# Allegro board buddy_lay_rev1.brd (continued)
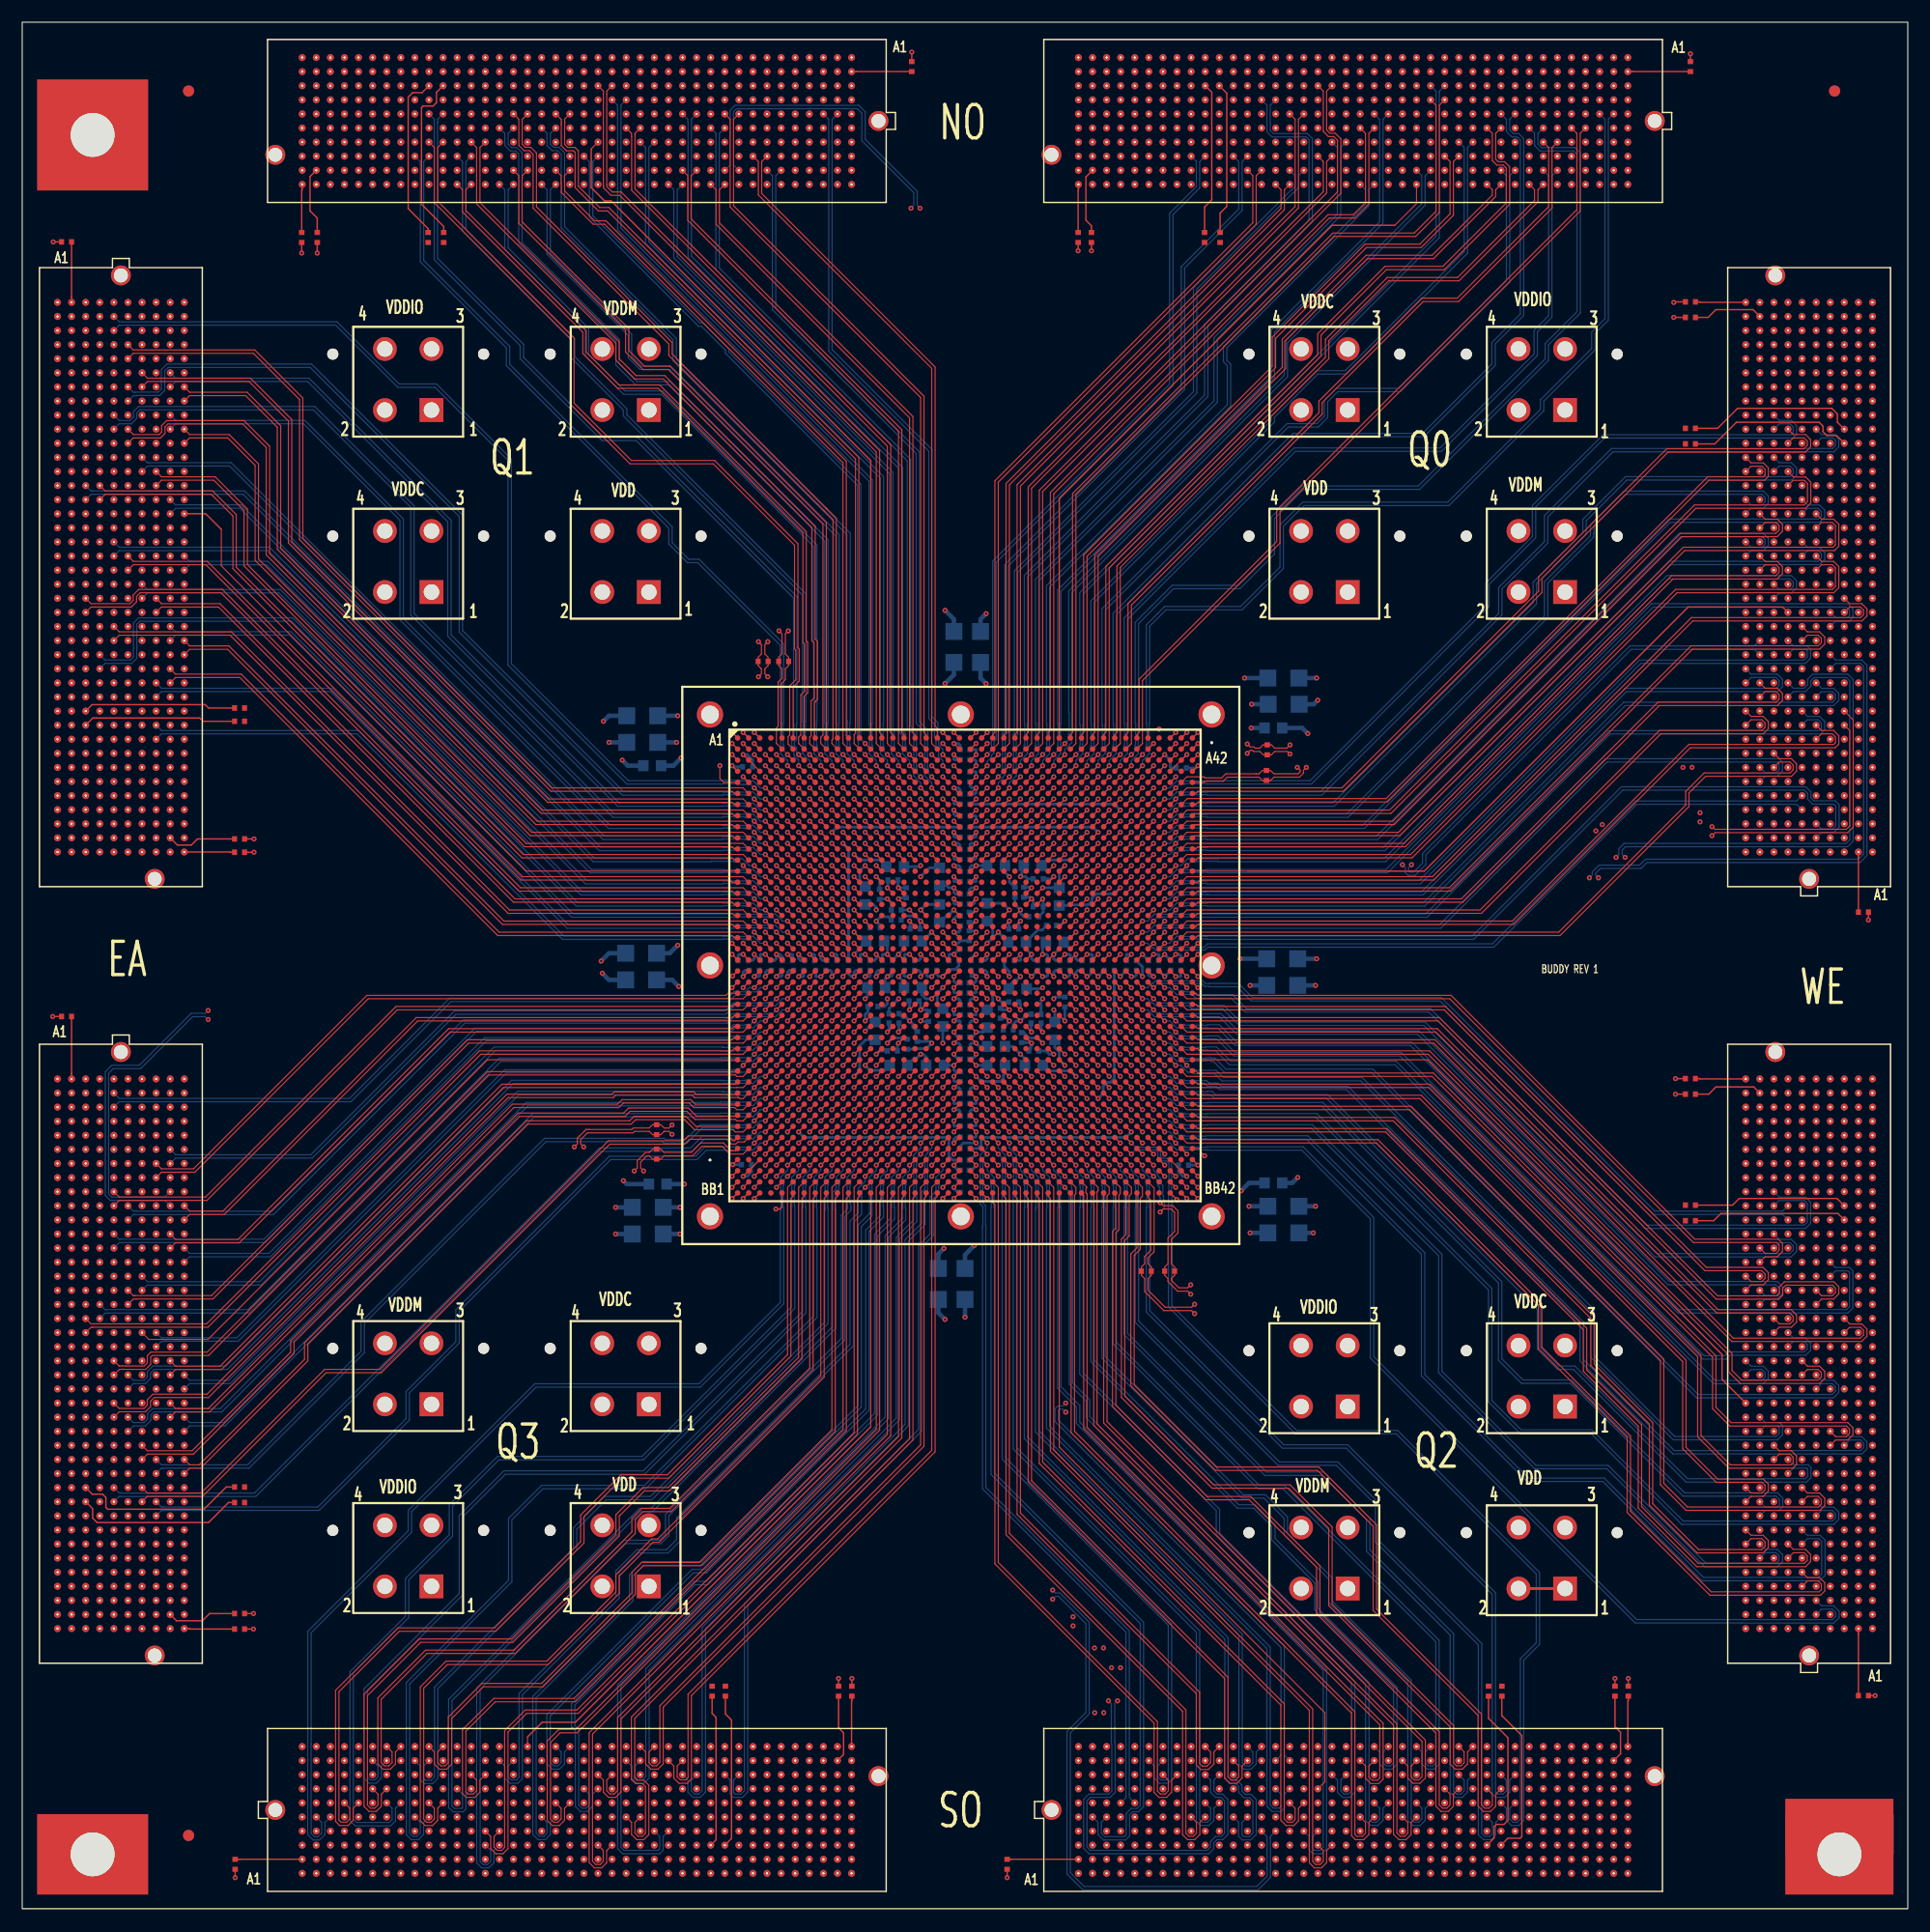
[diagram p0: board, top side]
## Routing (per net, layer and track width the routed paths; a pad name or vN(x,y) marks a point on that pad's centre or on a via; arc(x,y) is an arc through that point) (continued)
 J2.D25 114.28,162.53 ; J2.D25 113.8,163 ; 9.06,142.22 J8.F3 ; J8.F3 9.54,142.69 ; J8.F3 10.01,142.22 ; J8.F3 9.54,141.74 ; 68.42,154.91 J1.K6 ; J1.K6 68.9,155.38 ; J1.K6 67.95,155.38 ; J1.K6 68.42,155.86 ; J4.K12 155.38,39.69 ; J4.K12 154.91,39.21 ; J4.K12 155.86,39.21 ; J4.K12 155.38,38.74 ; 144.28,8.27 J5.E40 ; J5.E40 144.76,7.79 ; J5.E40 144.76,8.74 ; J5.E40 145.23,8.27 ; J3.F9 160.47,105.86 ; J3.F9 160.94,105.39 ; J3.F9 160.47,104.91 ; J3.F9 159.99,105.39 ; 139.2,12.07 J5.H36 ; J5.H36 139.68,11.6 ; J5.H36 140.15,12.07 ; J5.H36 139.68,12.55 ; J5.J23 123.17,13.82 ; J5.J23 123.17,12.87 ; J5.J23 123.64,13.35 ; J5.J23 122.69,13.35 ; J8.C38 6.2,97.77 ; J8.C38 5.25,97.77 ; J8.C38 5.72,98.24 ; J8.C38 5.72,97.29 ; J5.B11 108.4,4.46 ; J5.B11 107.45,4.46 ; J5.B11 107.93,4.93 ; J5.B11 107.93,3.98 ; 38.74,159.19 J1.G29 ; J1.G29 39.21,158.72 ; J1.G29 39.21,159.67 ; J1.G29 39.69,159.19 ; 27.31,14.62 J6.K3 ; J6.K3 28.26,14.62 ; J6.K3 27.78,15.09 ; J6.K3 27.78,14.14 ; J8.A40 3.66,95.23 ; J8.A40 2.71,95.23 ; J8.A40 3.19,94.75 ; J8.A40 3.19,95.7 ; J3.G26 159.67,126.98 ; J3.G26 158.72,126.98 ; J3.G26 159.19,127.45 ; J3.G26 159.19,126.5 ; J4.C40 164.75,74.77 ; J4.C40 164.28,75.25 ; J4.C40 164.28,74.3 ; J4.C40 163.8,74.77 ; 53.98,159.19 J1.G17 ; J1.G17 54.45,158.72 ; J1.G17 54.45,159.67 ; J1.G17 54.93,159.19 ; 10.33,124.44 J8.G17 ; J8.G17 10.8,124.91 ; J8.G17 11.28,124.44 ; J8.G17 10.8,123.96 ; J2.H33 104.59,157.93 ; J2.H33 103.64,157.93 ; J2.H33 104.12,157.45 ; J2.H33 104.12,158.4 ; 41.75,13.35 42.23,13.35 ; 41.75,13.35 41.75,13.82 ; 41.75,13.35 41.75,12.87 ; 41.75,13.35 41.28,13.35 ; J1.C29 39.21,164.75 ; J1.C29 39.69,164.28 ; J1.C29 39.21,163.8 ; J1.C29 38.74,164.28 ; J4.G11 159.19,38.42 ; J4.G11 159.19,37.47 ; J4.G11 159.67,37.94 ; J4.G11 158.72,37.94 ; 56.5,27.81 J20.1 ; J20.1 56.5,30.29 ; J20.1 57.74,29.05 ; J20.1 55.26,29.05 ; J2.G35 102.05,159.19 ; J2.G35 101.58,159.67 ; J2.G35 101.1,159.19 ; J2.G35 101.58,158.72 ; J4.G5 159.19,30.8 ; J4.G5 159.19,29.85 ; J4.G5 158.72,30.32 ; J4.G5 159.67,30.32 ; 7.79,105.39 J8.E32 ; J8.E32 8.27,105.86 ; J8.E32 8.74,105.39 ; J8.E32 8.27,104.91 ; 135.39,156.66 J2.J8 ; J2.J8 135.87,157.13 ; J2.J8 135.87,156.18 ; J2.J8 136.34,156.66 ; J2.A21 119.83,166.81 ; J2.A21 118.88,166.81 ; J2.A21 119.36,166.34 ; J2.A21 119.36,167.29 ; 10.33,128.25 J8.G14 ; J8.G14 10.8,128.72 ; J8.G14 11.28,128.25 ; J8.G14 10.8,127.77 ; 13.35,65.41 13.35,65.88 ; 13.35,65.88 12.87,65.88 ; 13.35,65.88 13.82,65.88 ; 13.35,65.88 13.35,66.36 ; 143.49,154.91 J2.K2 ; J2.K2 143.01,155.38 ; J2.K2 143.96,155.38 ; J2.K2 143.49,155.86 ; J5.E29 130.79,8.74 ; J5.E29 130.31,8.27 ; J5.E29 131.26,8.27 ; J5.E29 130.79,7.79 ; 163,59.06 J4.D28 ; J4.D28 163,60.01 ; J4.D28 163.48,59.53 ; J4.D28 162.53,59.53 ; J1.J40 25.24,157.13 ; J1.J40 25.72,156.66 ; J1.J40 25.24,156.18 ; J1.J40 24.77,156.66 ; 157.45,116.82 J3.H18 ; J3.H18 157.93,116.34 ; J3.H18 158.4,116.82 ; J3.H18 157.93,117.29 ; J8.F18 9.54,123.64 ; J8.F18 9.06,123.17 ; J8.F18 10.01,123.17 ; J8.F18 9.54,122.69 ; J6.G35 68.42,11.28 ; J6.G35 68.42,10.33 ; J6.G35 68.9,10.8 ; J6.G35 67.95,10.8 ; 12.07,48.9 J7.H21 ; J7.H21 12.07,49.85 ; J7.H21 12.55,49.37 ; J7.H21 11.6,49.37 ; 159.19,103.64 J3.G8 ; J3.G8 158.72,104.12 ; J3.G8 159.67,104.12 ; J3.G8 159.19,104.59 ; 8.27,57.79 J7.E14 ; J7.E14 7.79,58.26 ; J7.E14 8.27,58.74 ; J7.E14 8.74,58.26 ; 157.93,57.79 J4.H27 ; J4.H27 157.45,58.26 ; J4.H27 157.93,58.74 ; J4.H27 158.4,58.26 ; J5.E35 138.41,8.74 ; J5.E35 138.41,7.79 ; J5.E35 138.88,8.27 ; J5.E35 137.93,8.27 ; J6.B15 43.02,4.93 ; J6.B15 42.55,4.46 ; J6.B15 43.02,3.98 ; J6.B15 43.5,4.46 ; J2.G29 109.2,159.67 ; J2.G29 108.72,159.19 ; J2.G29 109.2,158.72 ; J2.G29 109.67,159.19 ; 4.46,51.44 J7.B19 ; J7.B19 3.98,51.91 ; J7.B19 4.93,51.91 ; J7.B19 4.46,52.39 ; J5.K21 120.63,15.09 ; J5.K21 121.1,14.62 ; J5.K21 120.63,14.14 ; J5.K21 120.15,14.62 ; 37.47,160.47 J1.F30 ; J1.F30 37.94,159.99 ; J1.F30 37.94,160.94 ; J1.F30 38.42,160.47 ; 154.91,143.49 J3.K39 ; J3.K39 155.38,143.01 ; J3.K39 155.38,143.96 ; J3.K39 155.86,143.49 ; 2.71,104.12 J8.A33 ; J8.A33 3.19,103.64 ; J8.A33 3.66,104.12 ; J8.A33 3.19,104.59 ; 127.77,159.19 J2.G14 ; J2.G14 128.72,159.19 ; J2.G14 128.25,159.67 ; J2.G14 128.25,158.72 ; J8.F27 10.01,111.74 ; J8.F27 9.54,111.26 ; J8.F27 9.06,111.74 ; J8.F27 9.54,112.21 ; 101.58,156.18 J2.J35 ; J2.J35 102.05,156.66 ; J2.J35 101.58,157.13 ; J2.J35 101.1,156.66 ; J4.J26 156.66,57.47 ; J4.J26 156.18,56.99 ; J4.J26 157.13,56.99 ; J4.J26 156.66,56.52 ; 45.56,10.33 J6.G17 ; J6.G17 46.04,10.8 ; J6.G17 45.56,11.28 ; J6.G17 45.09,10.8 ; 27.31,12.07 J6.H3 ; J6.H3 28.26,12.07 ; J6.H3 27.78,12.55 ; J6.H3 27.78,11.6 ; 128.25,9.54 128.25,10.01 ; 128.25,9.54 128.72,9.54 ; 128.25,9.54 127.77,9.54 ; 128.25,9.54 128.25,9.06 ; 138.41,157.45 J2.H6 ; J2.H6 137.93,157.93 ; J2.H6 138.88,157.93 ; J2.H6 138.41,158.4 ; J6.H15 43.02,12.55 ; J6.H15 43.02,11.6 ; J6.H15 42.55,12.07 ; J6.H15 43.5,12.07 ; 5.25,110.47 5.72,110.47 ; 5.72,110.47 5.72,109.99 ; 5.72,110.47 5.72,110.94 ; 5.72,110.47 6.2,110.47 ; J4.J1 156.66,25.72 ; J4.J1 156.18,25.24 ; J4.J1 157.13,25.24 ; J4.J1 156.66,24.77 ; J5.C40 144.76,6.2 ; J5.C40 144.76,5.25 ; J5.C40 145.23,5.72 ; J5.C40 144.28,5.72 ; J3.D6 163,102.05 ; J3.D6 163,101.1 ; J3.D6 163.48,101.58 ; J3.D6 162.53,101.58 ; 118.26,28.85 J23.1 ; J23.1 119.5,30.09 ; J23.1 119.5,27.61 ; J23.1 120.74,28.85 ; J7.B30 4.46,38.42 ; J7.B30 4.46,37.47 ; J7.B30 3.98,37.94 ; J7.B30 4.93,37.94 ; 158.72,115.55 J3.G17 ; J3.G17 159.67,115.55 ; J3.G17 159.19,115.07 ; J3.G17 159.19,116.02 ; 166.34,59.53 J4.A28 ; J4.A28 167.29,59.53 ; J4.A28 166.81,60.01 ; J4.A28 166.81,59.06 ; 166.34,110.47 J3.A13 ; J3.A13 167.29,110.47 ; J3.A13 166.81,110.94 ; J3.A13 166.81,109.99 ; J5.J32 134.6,13.82 ; J5.J32 134.12,13.35 ; J5.J32 135.07,13.35 ; J5.J32 134.6,12.87 ; 33.66,8.27 34.13,8.27 ; 34.13,8.27 34.13,7.79 ; 34.13,8.27 34.13,8.74 ; 34.13,8.27 34.61,8.27 ; 140.95,6.52 140.95,7 ; 140.95,7 140.95,7.47 ; 140.95,7 141.42,7 ; 140.95,7 140.47,7 ; 159.99,27.78 J4.F3 ; J4.F3 160.47,28.26 ; J4.F3 160.94,27.78 ; J4.F3 160.47,27.31 ; J4.G35 159.19,68.9 ; J4.G35 159.19,67.95 ; J4.G35 158.72,68.42 ; J4.G35 159.67,68.42 ; 60.8,163.8 J1.C12 ; J1.C12 60.8,164.75 ; J1.C12 60.33,164.28 ; J1.C12 61.28,164.28 ; J5.E38 142.69,8.27 ; J5.E38 141.74,8.27 ; J5.E38 142.22,8.74 ; J5.E38 142.22,7.79 ; J1.A17 54.93,166.81 ; J1.A17 54.45,166.34 ; J1.A17 53.98,166.81 ; J1.A17 54.45,167.29 ; 114.28,166.34 J2.A25 ; J2.A25 114.75,166.81 ; J2.A25 113.8,166.81 ; J2.A25 114.28,167.29 ; J1.G4 71.44,159.19 ; J1.G4 70.96,158.72 ; J1.G4 70.49,159.19 ; J1.G4 70.96,159.67 ; 101.1,7 J5.D6 ; J5.D6 101.58,6.52 ; J5.D6 102.05,7 ; J5.D6 101.58,7.47 ; J3.B30 166.02,132.06 ; J3.B30 165.54,132.53 ; J3.B30 165.07,132.06 ; J3.B30 165.54,131.58 ; J1.J20 50.64,157.13 ; J1.J20 50.17,156.66 ; J1.J20 50.64,156.18 ; J1.J20 51.12,156.66 ; 161.74,134.6 162.21,134.6 ; 161.74,134.6 161.74,135.07 ; 161.74,134.6 161.74,134.12 ; 161.74,134.6 161.26,134.6 ; J5.E20 119.36,8.74 ; J5.E20 118.88,8.27 ; J5.E20 119.36,7.79 ; J5.E20 119.83,8.27 ; 2.71,69.69 3.19,69.69 ; 3.19,69.69 3.66,69.69 ; 3.19,69.69 3.19,69.22 ; 3.19,69.69 3.19,70.17 ; 115.55,166.34 J2.A24 ; J2.A24 115.07,166.81 ; J2.A24 115.55,167.29 ; J2.A24 116.02,166.81 ; 162.53,143.49 J3.D39 ; J3.D39 163,143.01 ; J3.D39 163,143.96 ; J3.D39 163.48,143.49 ; J1.D16 56.2,163 ; J1.D16 55.72,163.48 ; J1.D16 55.72,162.53 ; J1.D16 55.25,163 ; J4.A20 167.29,49.37 ; J4.A20 166.34,49.37 ; J4.A20 166.81,49.85 ; J4.A20 166.81,48.9 ; 67.95,165.54 J1.B6 ; J1.B6 68.9,165.54 ; J1.B6 68.42,165.07 ; J1.B6 68.42,166.02 ; 10.8,112.53 J8.G26 ; J8.G26 11.28,113.01 ; J8.G26 10.8,113.48 ; J8.G26 10.33,113.01 ; J4.H15 157.93,43.5 ; J4.H15 157.93,42.55 ; J4.H15 158.4,43.02 ; J4.H15 157.45,43.02 ; 12.07,137.93 J8.H6 ; J8.H6 12.55,138.41 ; J8.H6 11.6,138.41 ; J8.H6 12.07,138.88 ; 161.26,74.77 161.74,74.77 ; 161.74,74.77 162.21,74.77 ; 161.74,74.77 161.74,74.3 ; 161.74,74.77 161.74,75.25 ; 161.74,60.8 161.74,61.28 ; 161.74,60.8 161.74,60.33 ; 161.74,60.8 161.26,60.8 ; 161.74,60.8 162.21,60.8 ; 3.19,123.96 3.19,124.44 ; 3.19,124.44 3.19,124.91 ; 3.19,124.44 2.71,124.44 ; 3.19,124.44 3.66,124.44 ; 163.8,105.39 J3.C9 ; J3.C9 164.75,105.39 ; J3.C9 164.28,105.86 ; J3.C9 164.28,104.91 ; J13.1 119.5,136.29 ; J13.1 119.5,133.81 ; J13.1 120.74,135.05 ; J13.1 118.26,135.05 ; J7.E11 8.74,62.07 ; J7.E11 7.79,62.07 ; J7.E11 8.27,61.6 ; J7.E11 8.27,62.55 ; 161.26,130.79 161.74,130.79 ; 161.74,130.79 161.74,131.26 ; 161.74,130.79 161.74,130.31 ; 161.74,130.79 162.21,130.79 ; J2.B19 122.37,165.54 ; J2.B19 121.9,166.02 ; J2.B19 121.9,165.07 ; J2.B19 121.42,165.54 ; J1.F33 34.61,160.47 ; J1.F33 33.66,160.47 ; J1.F33 34.13,159.99 ; J1.F33 34.13,160.94 ; 140.47,156.66 J2.J4 ; J2.J4 141.42,156.66 ; J2.J4 140.95,157.13 ; J2.J4 140.95,156.18 ; 51.44,4.46 J6.B22 ; J6.B22 51.91,3.98 ; J6.B22 52.39,4.46 ; J6.B22 51.91,4.93 ; J8.D2 7.47,143.49 ; J8.D2 7,143.96 ; J8.D2 6.52,143.49 ; J8.D2 7,143.01 ; J8.B30 4.93,107.93 ; J8.B30 4.46,107.45 ; J8.B30 4.46,108.4 ; J8.B30 3.98,107.93 ; 99.04,2.71 99.04,3.19 ; 99.04,3.19 98.56,3.19 ; 99.04,3.19 99.04,3.66 ; 99.04,3.19 99.51,3.19 ; 127.77,161.74 128.25,161.74 ; 128.25,161.74 128.25,162.21 ; 128.25,161.74 128.25,161.26 ; 128.25,161.74 128.72,161.74 ; 143.49,4.46 143.96,4.46 ; 143.49,4.46 143.49,3.98 ; 143.49,4.46 143.01,4.46 ; 143.49,4.46 143.49,4.93 ; 161.74,30.32 161.74,30.8 ; 161.74,30.32 162.21,30.32 ; 161.74,30.32 161.74,29.85 ; 161.74,30.32 161.26,30.32 ; 159.99,101.58 J3.F6 ; J3.F6 160.47,101.1 ; J3.F6 160.47,102.05 ; J3.F6 160.94,101.58 ; 123.96,156.66 J2.J17 ; J2.J17 124.44,156.18 ; J2.J17 124.91,156.66 ; J2.J17 124.44,157.13 ; 13.35,46.36 J7.J23 ; J7.J23 12.87,46.83 ; J7.J23 13.82,46.83 ; J7.J23 13.35,47.31 ; 11.6,53.18 J7.H18 ; J7.H18 12.07,52.71 ; J7.H18 12.55,53.18 ; J7.H18 12.07,53.66 ; J7.H12 12.07,61.28 ; J7.H12 12.07,60.33 ; J7.H12 11.6,60.8 ; J7.H12 12.55,60.8 ; 165.54,26.04 J4.B2 ; J4.B2 166.02,26.51 ; J4.B2 165.54,26.99 ; J4.B2 165.07,26.51 ; J1.C21 49.37,164.75 ; J1.C21 49.85,164.28 ; J1.C21 48.9,164.28 ; J1.C21 49.37,163.8 ; 3.19,98.56 J8.A37 ; J8.A37 3.66,99.04 ; J8.A37 3.19,99.51 ; J8.A37 2.71,99.04 ; 134.6,157.45 J2.H9 ; J2.H9 135.07,157.93 ; J2.H9 134.12,157.93 ; J2.H9 134.6,158.4 ; J7.D7 7,67.63 ; J7.D7 7,66.68 ; J7.D7 7.47,67.15 ; J7.D7 6.52,67.15 ; J1.J8 65.88,157.13 ; J1.J8 66.36,156.66 ; J1.J8 65.41,156.66 ; J1.J8 65.88,156.18 ; 166.81,115.07 J3.A17 ; J3.A17 166.81,116.02 ; J3.A17 166.34,115.55 ; J3.A17 167.29,115.55 ; 10.8,108.72 J8.G29 ; J8.G29 10.8,109.67 ; J8.G29 11.28,109.2 ; J8.G29 10.33,109.2 ; 69.69,161.74 70.17,161.74 ; 69.69,161.74 69.69,162.21 ; 69.69,161.74 69.69,161.26 ; 69.69,161.74 69.22,161.74 ; 135.87,161.74 135.87,162.21 ; 135.87,161.74 136.34,161.74 ; 135.87,161.74 135.39,161.74 ; 135.87,161.74 135.87,161.26 ; 107.93,10.8 107.93,11.28 ; 107.93,10.8 107.93,10.33 ; 107.93,10.8 108.4,10.8 ; 107.93,10.8 107.45,10.8 ; 65.88,9.54 65.88,10.01 ; 65.88,9.54 65.88,9.06 ; 65.88,9.54 65.41,9.54 ; 65.88,9.54 66.36,9.54 ; 154.91,58.26 J4.K27 ; J4.K27 155.38,58.74 ; J4.K27 155.86,58.26 ; J4.K27 155.38,57.79 ; J8.A32 3.19,105.86 ; J8.A32 2.71,105.39 ; J8.A32 3.19,104.91 ; J8.A32 3.66,105.39 ; J7.D2 7,73.98 ; J7.D2 7,73.03 ; J7.D2 6.52,73.5 ; J7.D2 7.47,73.5 ; 129.52,7 129.52,7.47 ; 129.52,7 129.04,7 ; 129.52,7 129.52,6.52 ; 129.52,7 129.99,7 ; 51.91,6.52 J6.D22 ; J6.D22 51.44,7 ; J6.D22 52.39,7 ; J6.D22 51.91,7.47 ; J8.J11 13.35,132.53 ; J8.J11 13.35,131.58 ; J8.J11 13.82,132.06 ; J8.J11 12.87,132.06 ; 10.8,24.77 J7.G40 ; J7.G40 10.33,25.24 ; J7.G40 10.8,25.72 ; J7.G40 11.28,25.24 ; J3.A33 166.81,136.34 ; J3.A33 166.81,135.39 ; J3.A33 166.34,135.87 ; J3.A33 167.29,135.87 ; 165.07,43.02 J4.B15 ; J4.B15 166.02,43.02 ; J4.B15 165.54,43.5 ; J4.B15 165.54,42.55 ; J7.H36 12.55,30.32 ; J7.H36 12.07,30.8 ; J7.H36 11.6,30.32 ; J7.H36 12.07,29.85 ; J8.H36 12.07,100.78 ; J8.H36 12.07,99.83 ; J8.H36 11.6,100.31 ; J8.H36 12.55,100.31 ; 159.99,116.82 J3.F18 ; J3.F18 160.47,117.29 ; J3.F18 160.94,116.82 ; J3.F18 160.47,116.34 ; 5.25,55.72 5.72,55.72 ; 5.72,55.72 6.2,55.72 ; 5.72,55.72 5.72,56.2 ; 5.72,55.72 5.72,55.25 ; 156.66,130.31 J3.J29 ; J3.J29 156.18,130.79 ; J3.J29 156.66,131.26 ; J3.J29 157.13,130.79 ; 143.49,9.54 143.96,9.54 ; 143.49,9.54 143.49,9.06 ; 143.49,9.54 143.49,10.01 ; 143.49,9.54 143.01,9.54 ; J7.H9 12.07,65.09 ; J7.H9 12.07,64.14 ; J7.H9 12.55,64.61 ; J7.H9 11.6,64.61 ; J3.J11 156.66,108.4 ; J3.J11 157.13,107.93 ; J3.J11 156.18,107.93 ; J3.J11 156.66,107.45 ; 55.25,3.19 55.72,3.19 ; 55.72,3.19 55.72,2.71 ; 55.72,3.19 55.72,3.66 ; 55.72,3.19 56.2,3.19 ; 10.8,61.6 J7.G11 ; J7.G11 10.8,62.55 ; J7.G11 10.33,62.07 ; J7.G11 11.28,62.07 ; 164.28,55.25 J4.C25 ; J4.C25 164.75,55.72 ; J4.C25 163.8,55.72 ; J4.C25 164.28,56.2 ; 166.81,139.2 J3.A36 ; J3.A36 166.34,139.68 ; J3.A36 167.29,139.68 ; J3.A36 166.81,140.15 ; J8.B23 4.46,117.29 ; J8.B23 4.46,116.34 ; J8.B23 4.93,116.82 ; J8.B23 3.98,116.82 ; 166.34,60.8 J4.A29 ; J4.A29 166.81,61.28 ; J4.A29 166.81,60.33 ; J4.A29 167.29,60.8 ; J3.H15 158.4,113.01 ; J3.H15 157.45,113.01 ; J3.H15 157.93,112.53 ; J3.H15 157.93,113.48 ; 166.81,43.82 J4.A16 ; J4.A16 166.81,44.77 ; J4.A16 167.29,44.29 ; J4.A16 166.34,44.29 ; 160.47,120.15 J3.F21 ; J3.F21 159.99,120.63 ; J3.F21 160.47,121.1 ; J3.F21 160.94,120.63 ; J7.J26 13.82,43.02 ; J7.J26 12.87,43.02 ; J7.J26 13.35,42.55 ; J7.J26 13.35,43.5 ; J3.A12 167.29,109.2 ; J3.A12 166.34,109.2 ; J3.A12 166.81,109.67 ; J3.A12 166.81,108.72 ; J8.K24 14.62,116.02 ; J8.K24 15.09,115.55 ; J8.K24 14.62,115.07 ; J8.K24 14.14,115.55 ; J3.C25 164.75,125.71 ; J3.C25 163.8,125.71 ; J3.C25 164.28,126.18 ; J3.C25 164.28,125.23 ; J5.A32 135.07,3.19 ; J5.A32 134.12,3.19 ; J5.A32 134.6,2.71 ; J5.A32 134.6,3.66 ; 74.77,166.34 J1.A1 ; J1.A1 74.3,166.81 ; J1.A1 74.77,167.29 ; J1.A1 75.25,166.81 ; 25.24,161.74 25.72,161.74 ; 25.24,161.74 25.24,162.21 ; 25.24,161.74 25.24,161.26 ; 25.24,161.74 24.77,161.74 ; 162.53,129.52 J3.D28 ; J3.D28 163,129.99 ; J3.D28 163.48,129.52 ; J3.D28 163,129.04 ; J1.D19 51.91,163.48 ; J1.D19 52.39,163 ; J1.D19 51.91,162.53 ; J1.D19 51.44,163 ; J2.A29 109.67,166.81 ; J2.A29 108.72,166.81 ; J2.A29 109.2,166.34 ; J2.A29 109.2,167.29 ; J8.B11 4.46,132.53 ; J8.B11 4.93,132.06 ; J8.B11 4.46,131.58 ; J8.B11 3.98,132.06 ; J5.A33 135.87,3.66 ; J5.A33 136.34,3.19 ; J5.A33 135.87,2.71 ; J5.A33 135.39,3.19 ; 110.47,3.19 110.47,3.66 ; 110.47,3.19 109.99,3.19 ; 110.47,3.19 110.47,2.71 ; 110.47,3.19 110.94,3.19 ; 123.17,154.91 J2.K18 ; J2.K18 122.69,155.38 ; J2.K18 123.17,155.86 ; J2.K18 123.64,155.38 ; J2.D2 143.49,163.48 ; J2.D2 143.96,163 ; J2.D2 143.01,163 ; J2.D2 143.49,162.53 ; 135.87,14.62 135.87,15.09 ; 135.87,14.62 135.87,14.14 ; 135.87,14.62 136.34,14.62 ; 135.87,14.62 135.39,14.62 ; J4.H36 158.4,69.69 ; J4.H36 157.93,70.17 ; J4.H36 157.93,69.22 ; J4.H36 157.45,69.69 ; J6.C38 72.23,6.2 ; J6.C38 71.76,5.72 ; J6.C38 72.23,5.25 ; J6.C38 72.71,5.72 ; 124.44,161.74 124.44,162.21 ; 124.44,161.74 123.96,161.74 ; 124.44,161.74 124.44,161.26 ; 124.44,161.74 124.91,161.74 ; J3.B15 166.02,113.01 ; J3.B15 165.07,113.01 ; J3.B15 165.54,112.53 ; J3.B15 165.54,113.48 ; 24.77,159.19 J1.G40 ; J1.G40 25.24,158.72 ; J1.G40 25.24,159.67 ; J1.G40 25.72,159.19 ; 164.28,99.83 J3.C5 ; J3.C5 163.8,100.31 ; J3.C5 164.75,100.31 ; J3.C5 164.28,100.78 ; 164.28,120.15 J3.C21 ; J3.C21 163.8,120.63 ; J3.C21 164.75,120.63 ; J3.C21 164.28,121.1 ; 45.09,13.35 J6.J17 ; J6.J17 46.04,13.35 ; J6.J17 45.56,13.82 ; J6.J17 45.56,12.87 ; 104.12,3.19 104.59,3.19 ; 104.12,3.19 104.12,3.66 ; 104.12,3.19 104.12,2.71 ; 104.12,3.19 103.64,3.19 ; 5.72,59.06 5.72,59.53 ; 5.72,59.53 5.72,60.01 ; 5.72,59.53 6.2,59.53 ; 5.72,59.53 5.25,59.53 ; J1.A28 40.96,166.81 ; J1.A28 40.01,166.81 ; J1.A28 40.48,166.34 ; J1.A28 40.48,167.29 ; 59.06,163 J1.D13 ; J1.D13 60.01,163 ; J1.D13 59.53,163.48 ; J1.D13 59.53,162.53 ; J8.E40 8.27,95.7 ; J8.E40 7.79,95.23 ; J8.E40 8.74,95.23 ; J8.E40 8.27,94.75 ; J2.D28 110.94,163 ; J2.D28 109.99,163 ; J2.D28 110.47,163.48 ; J2.D28 110.47,162.53 ; 9.06,134.6 J8.F9 ; J8.F9 9.54,135.07 ; J8.F9 10.01,134.6 ; J8.F9 9.54,134.12 ; J8.J17 13.35,124.91 ; J8.J17 13.35,123.96 ; J8.J17 13.82,124.44 ; J8.J17 12.87,124.44 ; 121.9,6.52 J5.D22 ; J5.D22 121.9,7.47 ; J5.D22 122.37,7 ; J5.D22 121.42,7 ; J4.F21 160.47,51.12 ; J4.F21 159.99,50.64 ; J4.F21 160.94,50.64 ; J4.F21 160.47,50.17 ; J1.H12 60.8,158.4 ; J1.H12 60.33,157.93 ; J1.H12 60.8,157.45 ; J1.H12 61.28,157.93 ; J2.J5 139.68,157.13 ; J2.J5 140.15,156.66 ; J2.J5 139.68,156.18 ; J2.J5 139.2,156.66 ; 50.64,3.19 51.12,3.19 ; 50.64,3.19 50.17,3.19 ; 50.64,3.19 50.64,3.66 ; 50.64,3.19 50.64,2.71 ; 58.26,4.46 58.26,4.93 ; 58.26,4.46 58.74,4.46 ; 58.26,4.46 57.79,4.46 ; 58.26,4.46 58.26,3.98 ; 98.56,13.35 99.04,13.35 ; 99.04,13.35 99.04,12.87 ; 99.04,13.35 99.04,13.82 ; 99.04,13.35 99.51,13.35 ; 155.38,104.91 J3.K9 ; J3.K9 155.38,105.86 ; J3.K9 155.86,105.39 ; J3.K9 154.91,105.39 ; 63.34,165.07 J1.B10 ; J1.B10 63.82,165.54 ; J1.B10 62.87,165.54 ; J1.B10 63.34,166.02 ; J2.G5 139.68,159.67 ; J2.G5 139.68,158.72 ; J2.G5 139.2,159.19 ; J2.G5 140.15,159.19 ; 3.98,53.18 J7.B18 ; J7.B18 4.46,52.71 ; J7.B18 4.46,53.66 ; J7.B18 4.93,53.18 ; 38.74,161.74 39.21,161.74 ; 39.21,161.74 39.21,161.26 ; 39.21,161.74 39.21,162.21 ; 39.21,161.74 39.69,161.74 ; J6.J20 49.85,13.35 ; J6.J20 48.9,13.35 ; J6.J20 49.37,13.82 ; J6.J20 49.37,12.87 ; J5.G29 130.79,11.28 ; J5.G29 131.26,10.8 ; J5.G29 130.31,10.8 ; J5.G29 130.79,10.33 ; J3.K2 155.38,96.97 ; J3.K2 154.91,96.5 ; J3.K2 155.86,96.5 ; J3.K2 155.38,96.02 ; 14.62,100.31 14.62,100.78 ; 14.62,100.31 15.09,100.31 ; 14.62,100.31 14.62,99.83 ; 14.62,100.31 14.14,100.31 ; J1.F6 68.9,160.47 ; J1.F6 67.95,160.47 ; J1.F6 68.42,159.99 ; J1.F6 68.42,160.94 ; 105.39,11.6 J5.H9 ; J5.H9 105.86,12.07 ; J5.H9 104.91,12.07 ; J5.H9 105.39,12.55 ; J1.G35 31.59,159.67 ; J1.G35 31.59,158.72 ; J1.G35 31.12,159.19 ; J1.G35 32.07,159.19 ; 12.07,118.88 J8.H21 ; J8.H21 12.07,119.83 ; J8.H21 11.6,119.36 ; J8.H21 12.55,119.36 ; 120.15,161.74 120.63,161.74 ; 120.63,161.74 120.63,162.21 ; 120.63,161.74 121.1,161.74 ; 120.63,161.74 120.63,161.26 ; J1.B18 53.18,166.02 ; J1.B18 53.66,165.54 ; J1.B18 52.71,165.54 ; J1.B18 53.18,165.07 ; 49.37,10.33 J6.G20 ; J6.G20 49.37,11.28 ; J6.G20 48.9,10.8 ; J6.G20 49.85,10.8 ; 139.68,5.25 J5.C36 ; J5.C36 140.15,5.72 ; J5.C36 139.68,6.2 ; J5.C36 139.2,5.72 ; 161.74,49.37 162.21,49.37 ; 161.74,49.37 161.74,48.9 ; 161.74,49.37 161.26,49.37 ; 161.74,49.37 161.74,49.85 ; 5.72,69.22 5.72,69.69 ; 5.72,69.69 5.72,70.17 ; 5.72,69.69 6.2,69.69 ; 5.72,69.69 5.25,69.69 ; 163.8,65.88 J4.C33 ; J4.C33 164.75,65.88 ; J4.C33 164.28,65.41 ; J4.C33 164.28,66.36 ; J3.J20 157.13,119.36 ; J3.J20 156.18,119.36 ; J3.J20 156.66,119.83 ; J3.J20 156.66,118.88 ; 124.44,11.6 J5.H24 ; J5.H24 124.44,12.55 ; J5.H24 123.96,12.07 ; J5.H24 124.91,12.07 ; J4.D19 163.48,48.1 ; J4.D19 162.53,48.1 ; J4.D19 163,48.58 ; J4.D19 163,47.63 ; 164.28,129.04 J3.C28 ; J3.C28 164.28,129.99 ; J3.C28 163.8,129.52 ; J3.C28 164.75,129.52 ; 48.9,8.27 J6.E20 ; J6.E20 49.85,8.27 ; J6.E20 49.37,7.79 ; J6.E20 49.37,8.74 ; 126.5,10.8 J5.G26 ; J5.G26 126.98,10.33 ; J5.G26 126.98,11.28 ; J5.G26 127.45,10.8 ; J4.H39 157.93,73.98 ; J4.H39 157.93,73.03 ; J4.H39 157.45,73.5 ; J4.H39 158.4,73.5 ; J2.F30 108.4,160.47 ; J2.F30 107.93,160.94 ; J2.F30 107.93,159.99 ; J2.F30 107.45,160.47 ; J7.K9 14.62,65.09 ; J7.K9 14.62,64.14 ; J7.K9 15.09,64.61 ; J7.K9 14.14,64.61 ; 2.71,144.76 3.19,144.76 ; 3.19,144.76 3.19,144.28 ; 3.19,144.76 3.66,144.76 ; 3.19,144.76 3.19,145.23 ; J4.G1 159.19,25.72 ; J4.G1 159.67,25.24 ; J4.G1 158.72,25.24 ; J4.G1 159.19,24.77 ; J4.B11 165.54,38.42 ; J4.B11 166.02,37.94 ; J4.B11 165.54,37.47 ; J4.B11 165.07,37.94 ; 9.06,45.56 J7.F24 ; J7.F24 9.54,46.04 ; J7.F24 9.54,45.09 ; J7.F24 10.01,45.56 ; J6.B6 31.59,4.93 ; J6.B6 32.07,4.46 ; J6.B6 31.59,3.98 ; J6.B6 31.12,4.46 ; 69.69,158.72 J1.G5 ; J1.G5 69.69,159.67 ; J1.G5 69.22,159.19 ; J1.G5 70.17,159.19 ; 156.66,45.09 J4.J17 ; J4.J17 157.13,45.56 ; J4.J17 156.18,45.56 ; J4.J17 156.66,46.04 ; 159.19,64.14 J4.G32 ; J4.G32 158.72,64.61 ; J4.G32 159.19,65.09 ; J4.G32 159.67,64.61 ; 3.98,62.07 J7.B11 ; J7.B11 